# Altium PCB 电解模块主控板_V1.1_ZM_20211015.PcbDoc (part 1 of 3)
Units mil, origin at the board's own origin, x right, y up, seen from the top; angles counter-clockwise.
Board outline 5915.54 x 3947.37 mil, 2 copper layers (Top Layer, Bottom Layer); 222 components, 167 nets, 677 pads, 2045 vias.
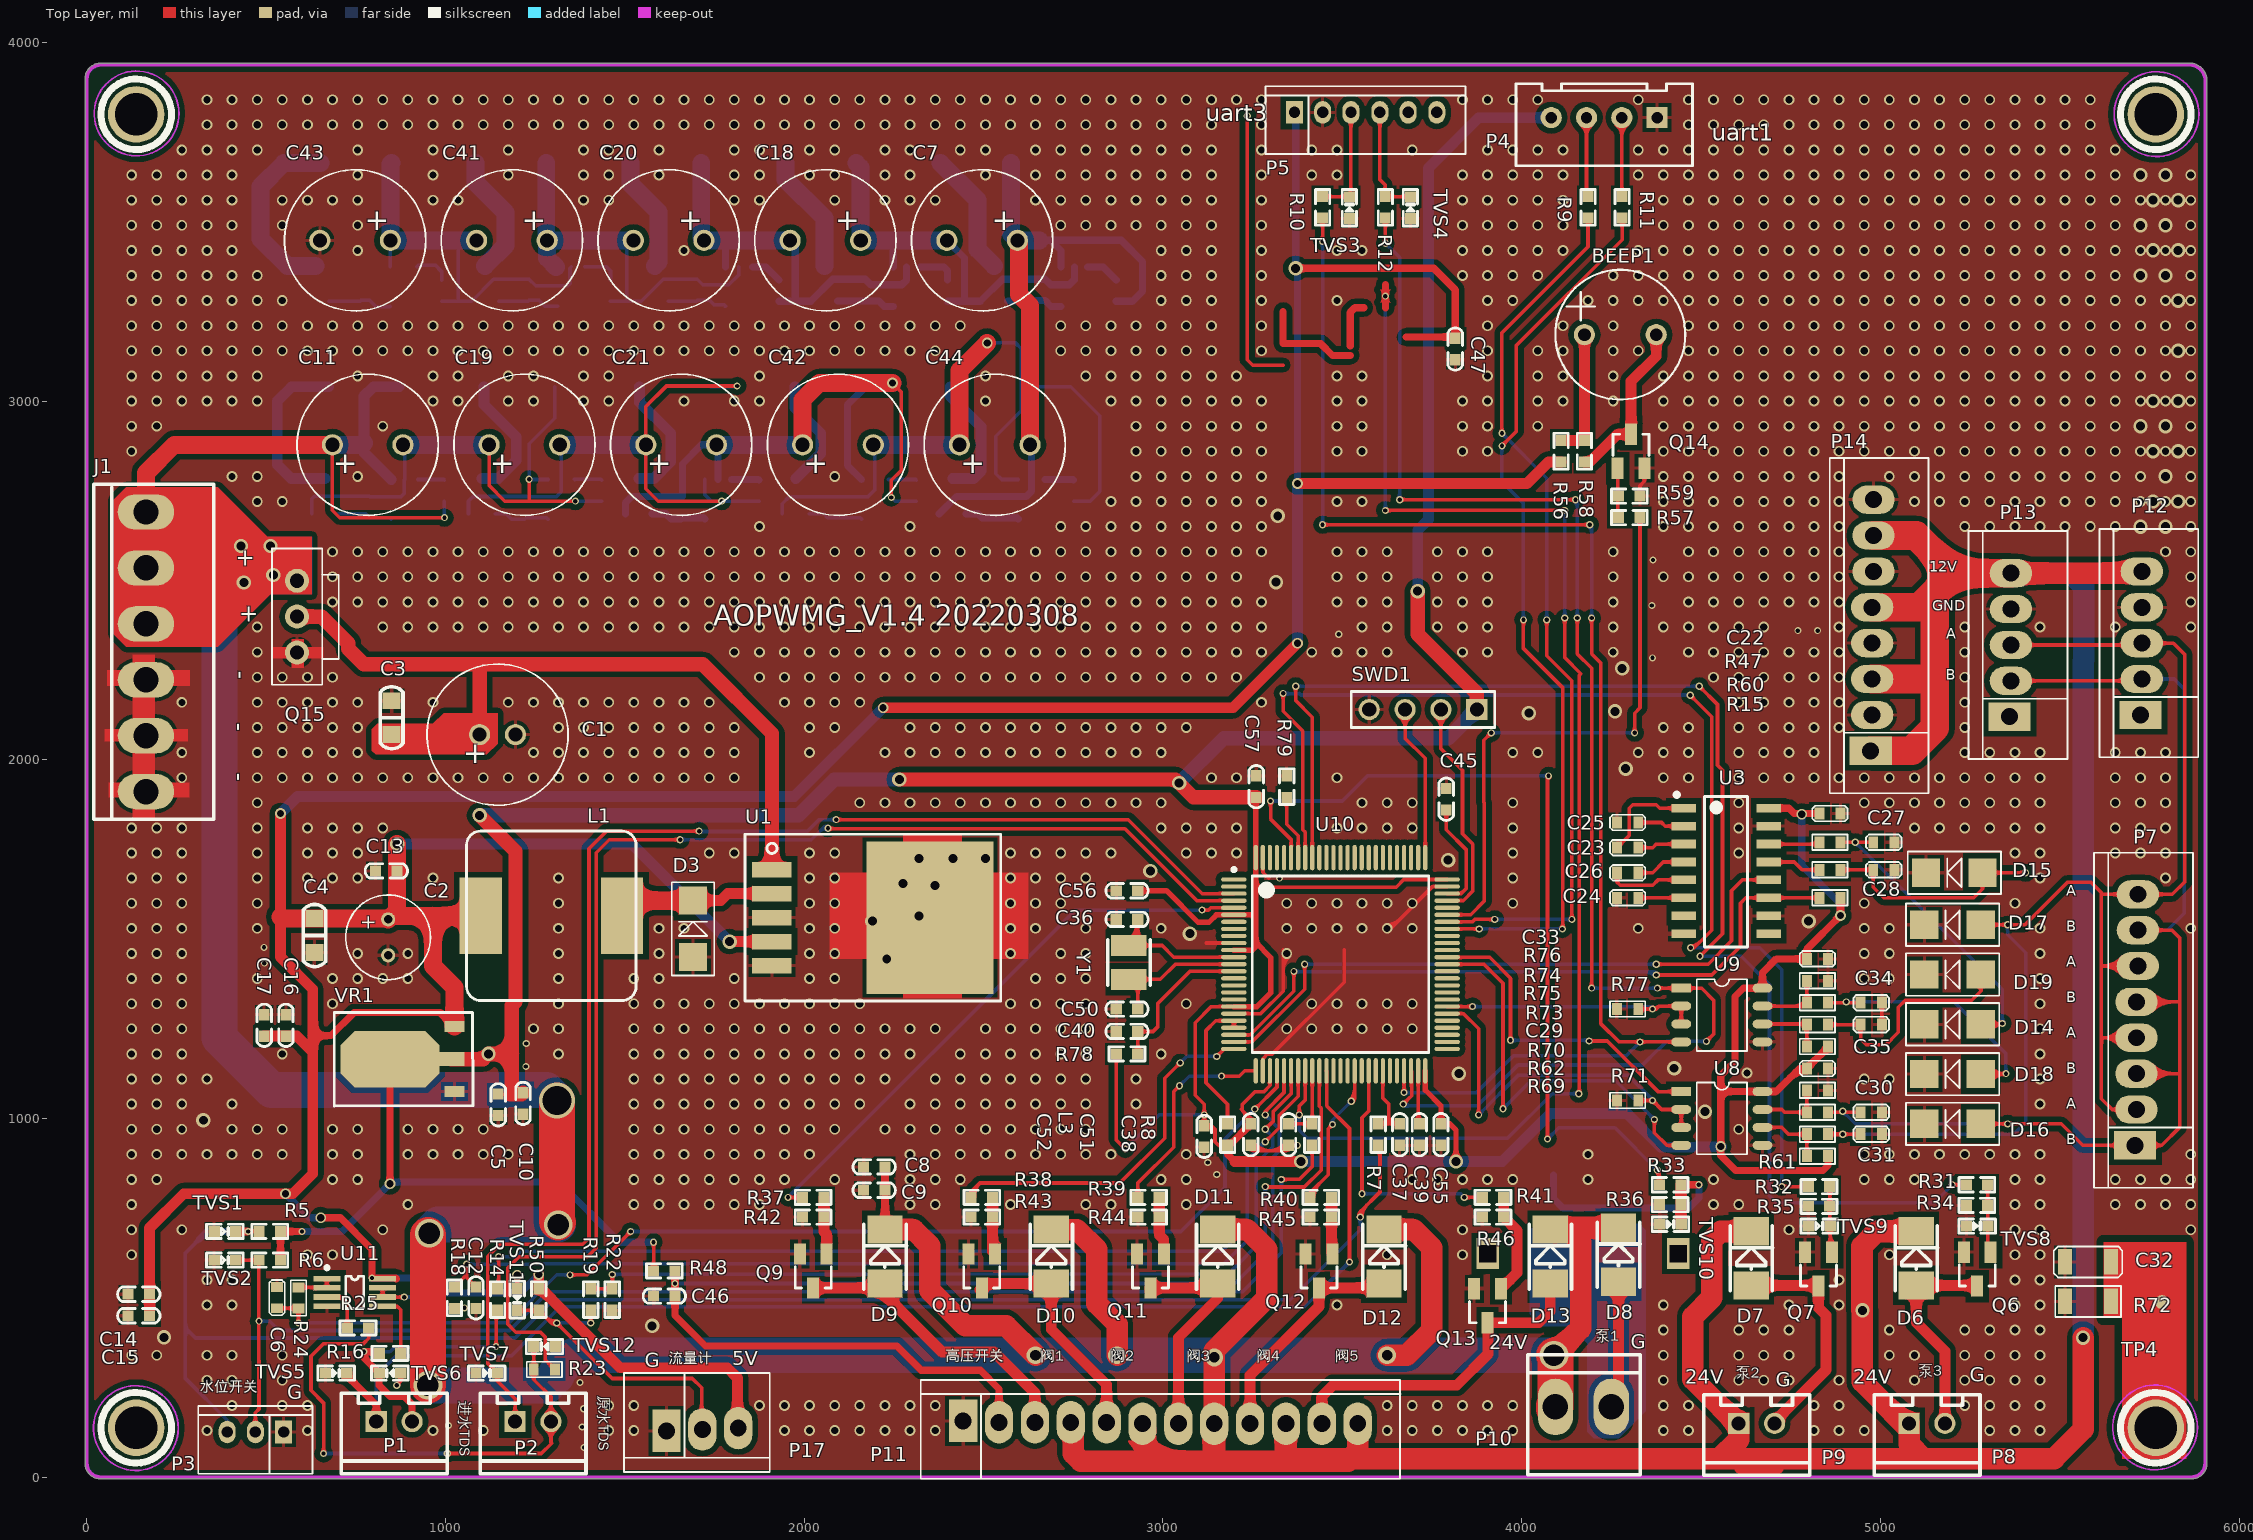
[diagram p0: Top Layer view]
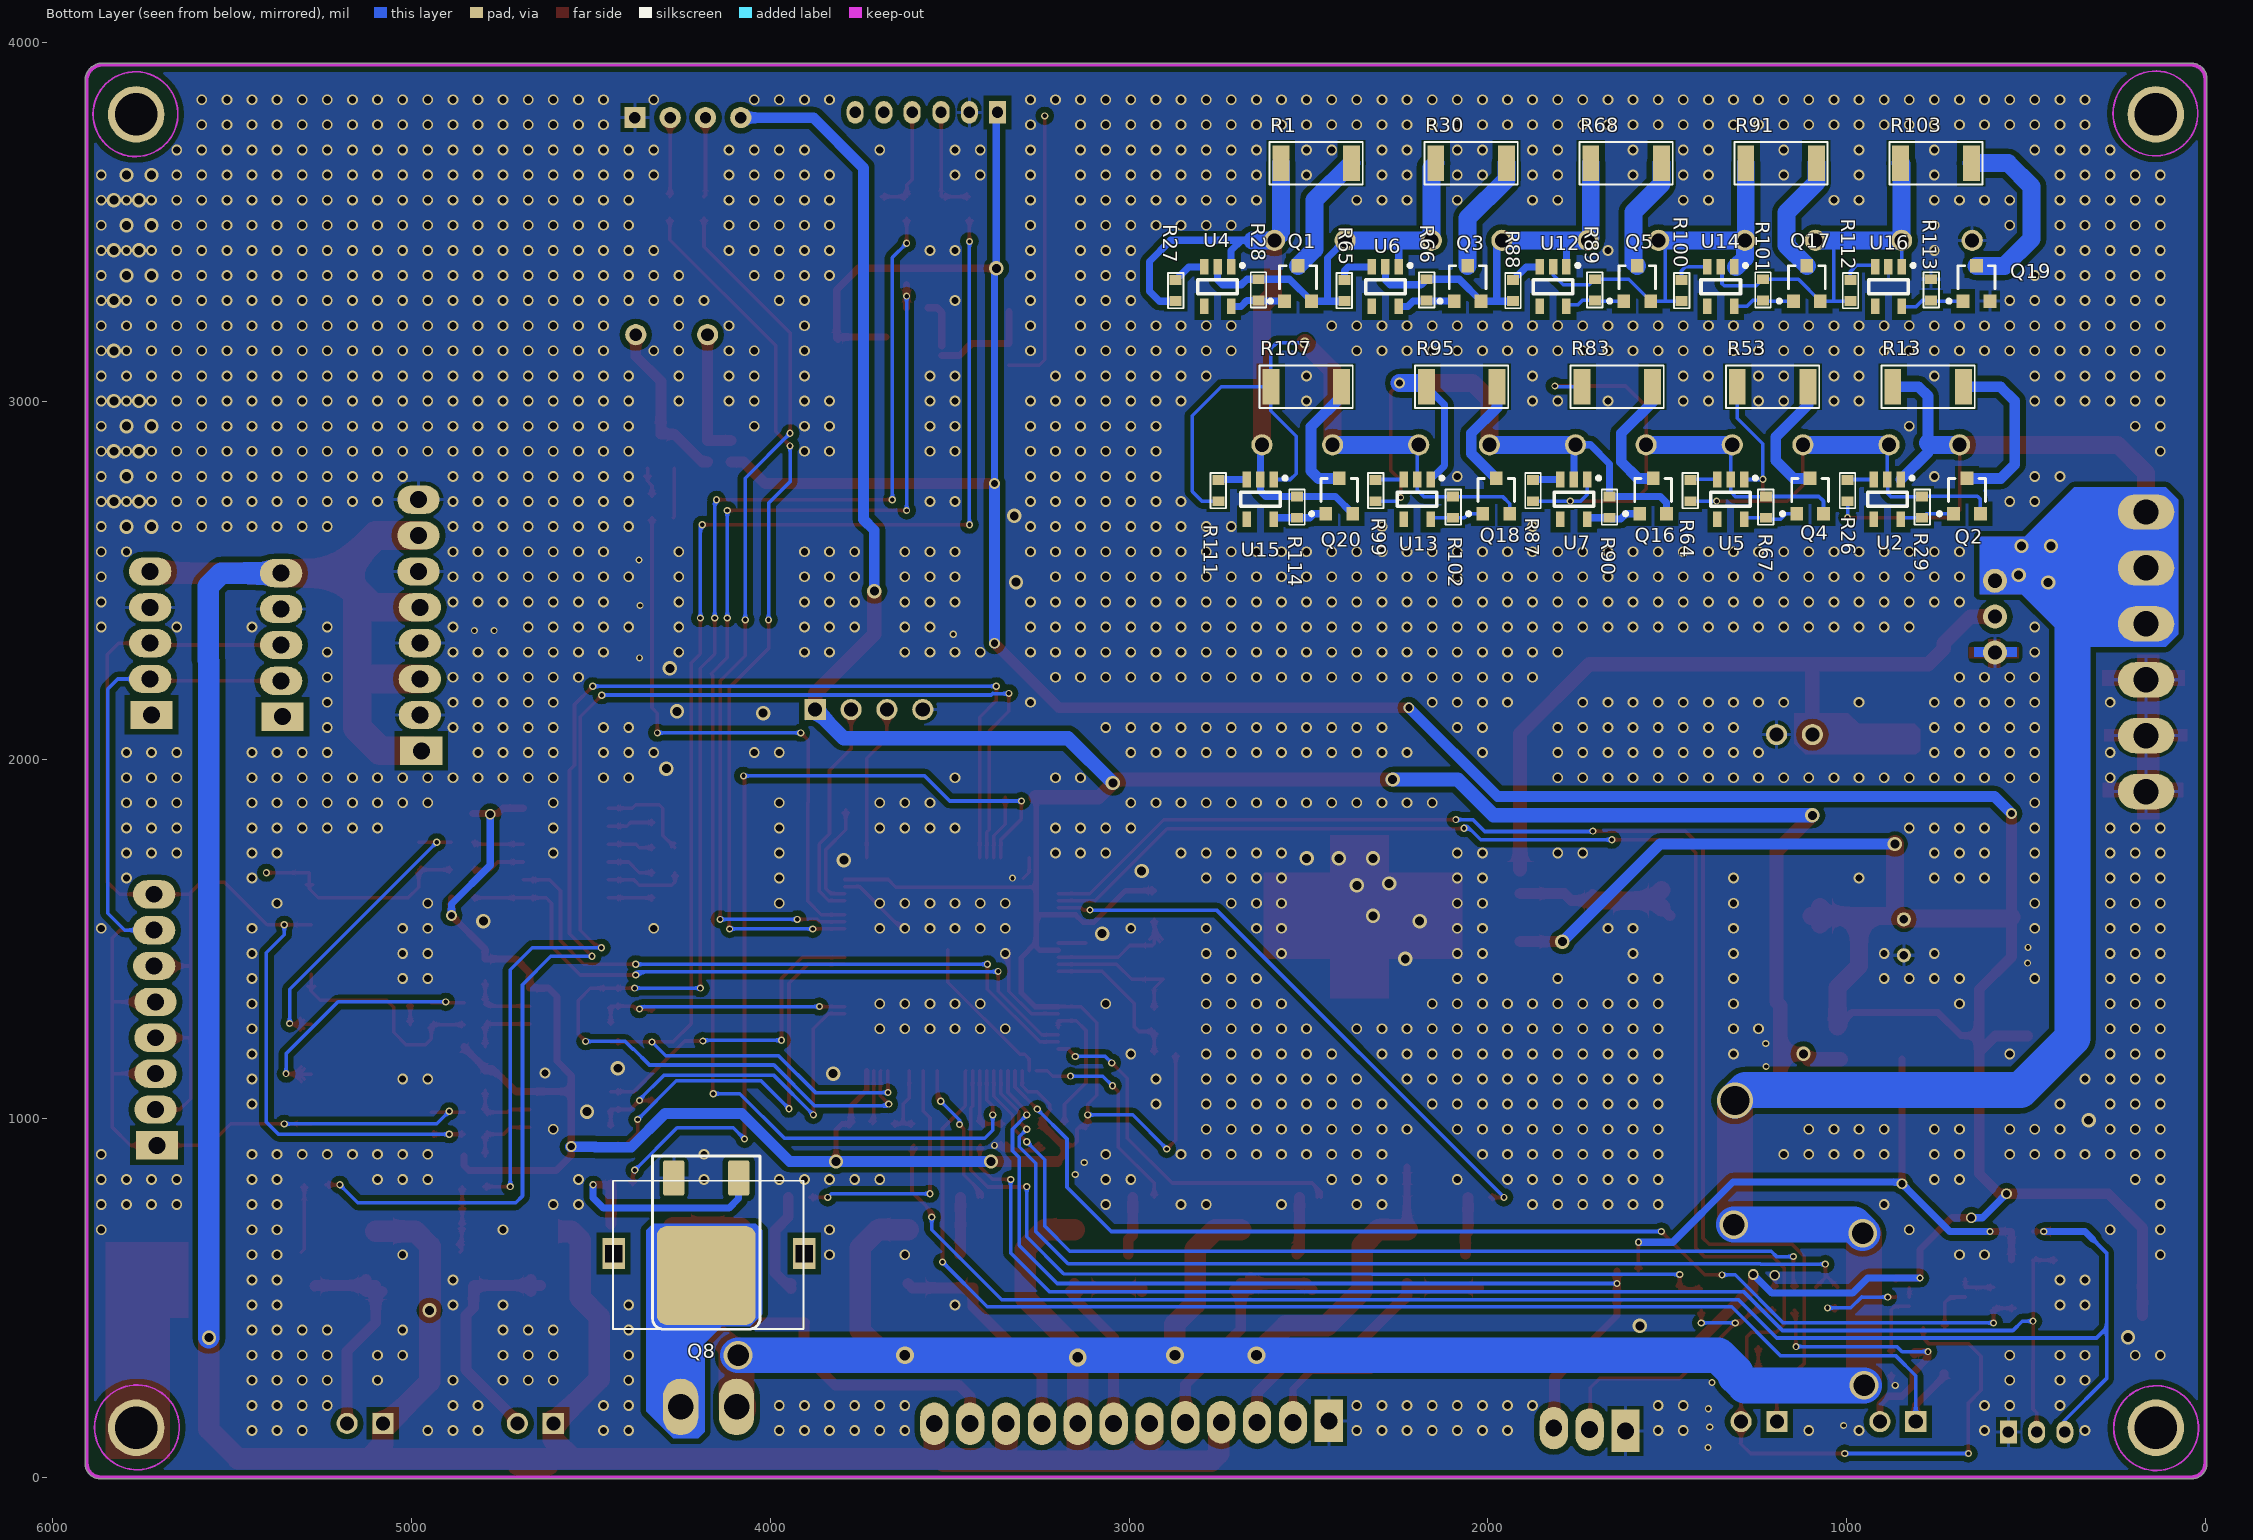
[diagram p1: Bottom Layer view, seen from below]
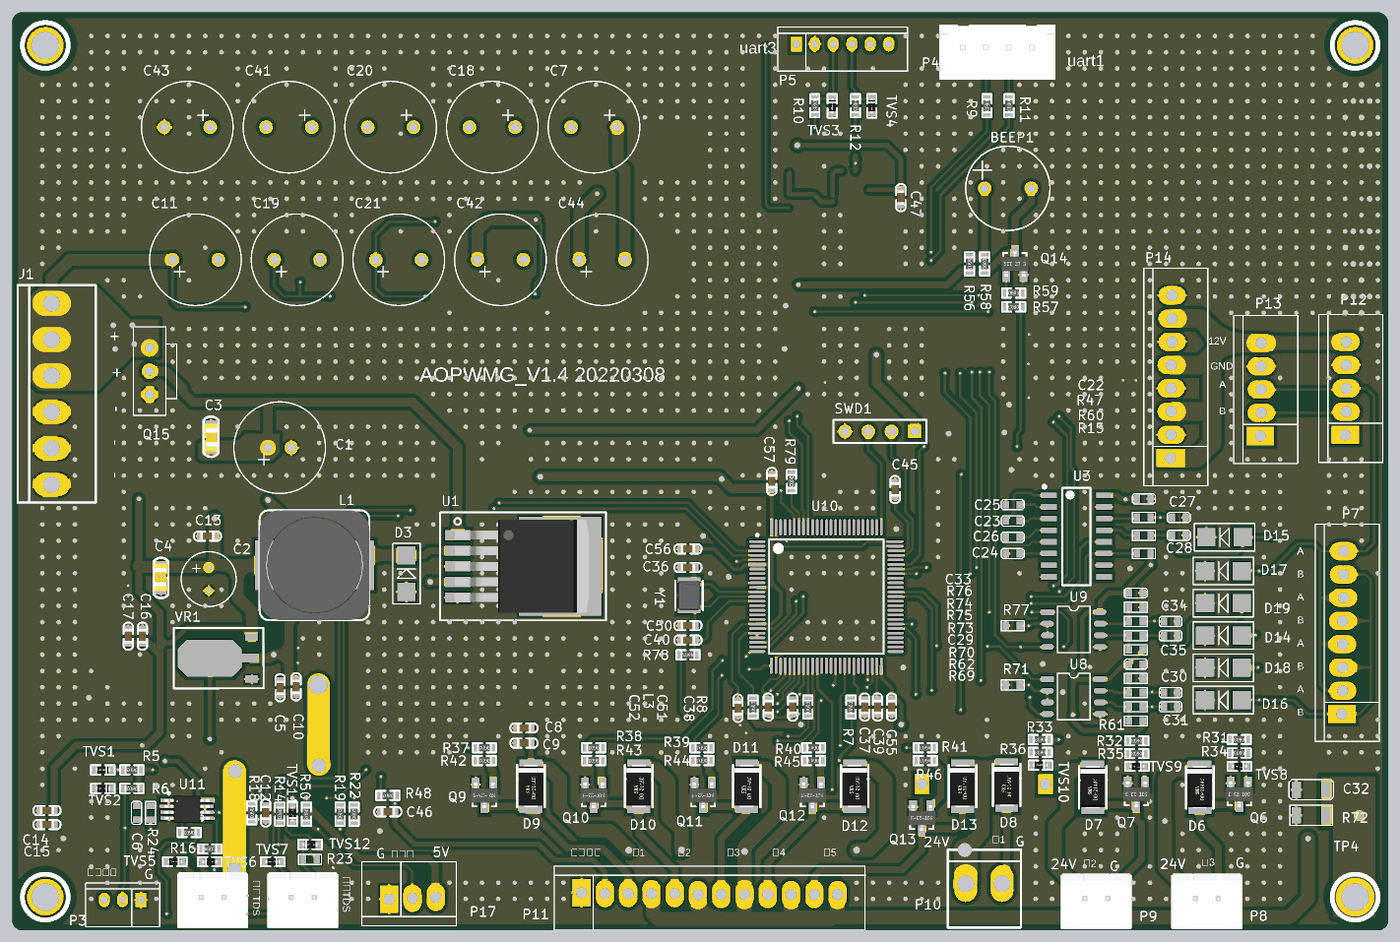
[diagram p4: 3D render of the assembled board from above, using the file's embedded part models]

## Layer stack, top to bottom
Top Solder: solder mask 0.4, Solder Resist, Dk 3.5
Top Layer: signal copper 1.4
Dielectric1: dielectric 12.6, FR-4, Dk 4.8
Bottom Layer: signal copper 1.4
Bottom Solder: solder mask 0.4, Solder Resist, Dk 3.5

## Board outline
-5.01,39.37 ccw(c39.37,39.37) 39.37,-5.01 5866.14,-5.01 ccw(c5866.14,39.37) 5910.53,39.37 5910.53,3897.64 ccw(c5905.51,3897.64) 5910.49,3898.25 ccw(c5860.57,3892.07) 5854.7,3942.02 39.37,3942.02 ccw(c39.37,3897.64) -5.01,3897.64

## Design rules (kind name [scope] priority, off if disabled: settings)
Clearance Clearance_2 [InNet('NetC32_2')] p1: gap=20
Clearance Clearance_1 [InPolygon] p2: gap=15
Clearance [All] p3: gap=6
NetAntennae [All] p1: netantennaetolerance=200
PolygonConnect PolygonConnect_2 [InNet('NetC32_2')] p1: connectstyle=Direct reliefconductorwidth=10 reliefentries=4 polygonreliefangle="90 Angle" airgapwidth=10
PolygonConnect PolygonConnect_1 [isvia] p2: connectstyle=Direct reliefconductorwidth=10 reliefentries=4 polygonreliefangle="90 Angle" airgapwidth=10
PolygonConnect [All] p3: connectstyle=Relief reliefconductorwidth=10 reliefentries=4 polygonreliefangle="90 Angle" airgapwidth=10
RoutingVias [All] p1: holewidth=12 width=24 viastyle="Through Hole" minholewidth=8 minwidth=8 maxholewidth=200 maxwidth=200
SilkToSolderMaskClearance [IsPad] p1: minsilkscreentomaskgap=2 clearancetoexposedcopper=TRUE
SolderMaskExpansion [All] p1: expansion=4
Width [All] p1: maxlimit=360 minlimit=10 preferedwidth=10
28 further rules are at their usual default settings.

## Classes and differential pairs
component class 02_Power: C1 C2 C3 C4 C5 C8 C9 C10 C13 C14 C15 C16 C17 D3 J1 L1 Q15 U1 VR1
component class 04_Sensor: C6 C12 C37 C38 C47 P1 P2 P3 P17 R5 R6 R7 R8 R14 R16 R18 R19 R22 R23 R24 R25 R50 TVS1 TVS2 TVS5 TVS6 TVS7 TVS11 TVS12 U11
component class com: C22 C23 C24 C25 C26 C27 C28 C29 C30 C31 C32 C33 C34 C35 D14 D15 D16 D17 D18 D19 P7 P12 P13 P14 R15 R47 R60 R61 R62 R69 R70 R71 R72 R73 R74 R75 R76 R77 TP4 U3 U8 U9
component class 05_USART: P4 P5 R9 R10 R11 R12 TVS3 TVS4
component class cpu: C36 C39 C40 C45 C50 C51 C52 C55 C56 C57 L3 R78 R79 SWD1 U10 Y1
component class 08_Peripherals: C46 D6 D7 D8 D9 D10 D11 D12 D13 P8 P9 P10 P11 Q6 Q7 Q8 Q9 Q10 Q11 Q12 Q13 R31 R32 R33 R34 R35 R36 R37 R38 R39 R40 R41 R42 R43 R44 R45 R46 R48 TVS8 TVS9 TVS10
component class 11_Speak: BEEP1 BP1 Q14 R56 R57 R58 R59
component class 07_EL_CON: C7 C11 C18 C19 C20 C21 C41 C42 C43 C44 Q1 Q2 Q3 Q4 Q5 Q16 Q17 Q18 Q19 Q20 R1 R13 R26 R27 R28 R29 R30 R53 R64 R65 R66 R67 R68 R83 R87 R88 R89 R90 R91 R95 R99 R100 R101 R102 R103 R107 R111 R112 R113 R114 U2 U4 U5 U6 U7 U12 U13 U14 U15 U16

## Components (designator, comment, footprint, x,y, rotation, side; value= is the part's Value field where it differs from the comment)
BEEP1 "BEEP-9.5X5.5" BEEP-9.5X5.5 4275,3185 r0 top
C1 "1000uF/35V" 10*16 1145,2070 r180 top
C2 "100uF/35V" 6*8 840,1505 r90 top
C3 "104 50V" SMD-0805C 850,2117.24 r270 top
C4 "104 50V" SMD-0805C 635,1510 r90 top
C5 "10uF 25V" SMD-0603C 1147,1038 r90 top
C6 "NC" 0603C 530,530 r270 top
C7 "1000uF/35V" "10*16 -5" 2496,3448 r0 top
C8 "10uF25V" SMD-0603C 2195,865 r0 top
C9 "104 50V" SMD-0603C 2195,800 r0 top
C10 "104 50V" SMD-0603C 1216,1042 r90 top
C11 "1000uF/35V" "10*16 -5" 783,2878 r180 top
C12 "NC" SMD-0603C 1085,500 r90 top
C13 "104 50V" SMD-0603C 835,1690 r0 top
C14 "10uF25V" SMD-0603C 145,510 r0 top
C15 "104 50V" SMD-0603C 145,450 r0 top
C16 "10uF25V" SMD-0603C 555,1259.47 r270 top
C17 "104 50V" SMD-0603C 494.47,1259.47 r270 top
C18 "1000uF/35V" "10*16 -5" 2059,3448 r0 top
C19 "1000uF/35V" "10*16 -5" 1220,2878 r180 top
C20 "1000uF/35V" "10*16 -5" 1622,3448 r0 top
C21 "1000uF/35V" "10*16 -5" 1657,2878 r180 top
C22 "104 50V" 0603C 4830,1850 r0 top
C23 "104 50V" 0603C 4265.94,1755 r0 top
C24 "104 50V" 0603C 4325,1615 r180 top
C25 "104 50V" 0603C 4325,1825 r180 top
C26 "104 50V" 0603C 4265.94,1685 r0 top
C27 "220PF/16V" 0603C 4980,1770 r0 top
C28 "220PF/16V" 0603C 4980,1693.33 r0 top
C29 "104 50V" 0603C 4795,1139.44 r0 top
C30 "220PF/16V" 0603C 4945,1017.22 r0 top
C31 "220PF/16V" 0603C 4945,956.11 r0 top
C32 "1NF/2KV" 1206C 5515,600 r0 top
C33 "104 50V" 0603C 4795,1445 r0 top
C34 "220PF/16V" 0603C 4945,1322.78 r0 top
C35 "220PF/16V" 0603C 4945,1261.67 r0 top
C36 "12P/50V" SMD-0603C 2900,1555 r180 top
C37 "104 50V" SMD-0603C 3660,955 r90 top
C38 "104 50V" SMD-0603C 3350,955 r90 top
C39 "4.7uF/10V/NC" SMD-0603C 3715,955 r90 top
C40 "1uF/10V" SMD-0603C 2900,1242.5 r0 top
C41 "1000uF/35V" "10*16 -5" 1185,3448 r0 top
C42 "1000uF/35V" "10*16 -5" 2094,2878 r180 top
C43 "1000uF/35V" "10*16 -5" 748,3448 r0 top
C44 "1000uF/35V" "10*16 -5" 2531,2878 r180 top
C45 "4.7uF/10V/NC" SMD-0603C 3790,1890 r270 top
C46 "104 50V" SMD-0603C 1610,505 r0 top
C47 "10uF 10V" SMD-0603C 3815,3145 r90 top
C50 "12P/50V" SMD-0603C 2900,1305 r180 top
C51 "104 50V" SMD-0603C 3245,955 r90 top
C52 "104 50V" SMD-0603C 3115,950 r90 top
C55 "104 50V" SMD-0603C 3775,955 r90 top
C56 "104 50V" SMD-0603C 2900,1635 r0 top
C57 "104 50V" SMD-0603C 3260,1925 r270 top
D3 "SS34" SMA 1690,1450 r90 top
D6 "1N4007" DO-214-AC 5100,610 r90 top
D7 "1N4007" DO-214-AC 4640,610 r90 top
D8 "1N4007" DO-214-AC 4270,620 r90 top
D9 "1N4007" DO-214-AC 2225,615 r90 top
D10 "1N4007" DO-214-AC 2688.75,615 r90 top
D11 "1N4007" DO-214-AC 3152.5,615 r90 top
D12 "1N4007" DO-214-AC 3616.25,615 r90 top
D13 "1N4007" DO-214-AC 4080,615 r90 top
D14 "SMAJ18CA" SMA 5280,1262.5 r180 top
D15 "SMAJ18CA" SMA 5285,1685 r180 top
D16 "SMAJ6.5CA" SMA 5280,985 r180 top
D17 "SMAJ6.5CA" SMA 5280,1540 r180 top
D18 "SMAJ6.5CA" SMA 5280,1123.75 r180 top
D19 "SMAJ6.5CA" SMA 5280,1401.25 r180 top
J1 "HEADER_6" VH-AW-3.96*6P 165,2145 r90 top
L1 "CDRH127-33uH" CDRH-127 1295,1565 r180 top
L3 "MPZ1608D101BTA00" SMD-0603 3180,955 r90 top
P1 "XH2.54 2P" SIP-2A 857,155 r0 top
P2 "XH2.54 2P" SIP-2A 1244,155 r0 top
P3 "1*3P" 3X2MMZ 548.74,126 r180 top
P4 "1*4P" XH2.54-4A 4230,3790 r180 top
P5 "Header 6" 6X2MMZ 3366.56,3804.75 r0 top
P7 "Header 8" 8X2.54MMZ 5710,925 r90 top
P8 "SIP-2" SIP-2A 5130,150 r0 top
P9 "SIP-2" SIP-2A 4655,150 r0 top
P10 "SIP-2" VH-AW-3.96*2P 4327.95,196 r0 top
P11 "Header 12" 12X2.54MMZ 2443,157 r0 top
P12 "Header 5" 5X2.54MMZ 5725,2125 r90 top
P13 "Header 5" 5X2.54MMZ 5360,2120 r90 top
P14 "Header 8" 8X2.54MMZ 4973.06,2025 r90 top
P17 "1*3P" 3X2.54MMZ2 1616,129 r0 top
Q1 "AO3400" SOT-23#1 2529,3327.74 r180 bottom
Q2 "AO3400" SOT-23#1 664,2735 r180 bottom
Q3 "AO3400" SOT-23#1 2056.15,3327.74 r180 bottom
Q4 "AO3400" SOT-23#1 1101.5,2735 r180 bottom
Q5 "AO3400" SOT-23#1 1583.3,3327.74 r180 bottom
Q6 "AO3400" SOT-23#2 5270,580 r180 top
Q7 "AO3400" SOT-23#2 4827.5,580 r180 top
Q8 "AOD538" TO252 4178.55,562.35 r0 bottom
Q9 "AO3400" SOT-23#2 2025,575 r180 top
Q10 "AO3400" SOT-23#2 2495,575 r180 top
Q11 "AO3400" SOT-23#2 2965,575 r180 top
Q12 "AO3400" SOT-23#2 3435,575 r180 top
Q13 "AO3400" SOT-23#2 3905,478 r180 top
Q14 "LH8050QLT1G" SOT-23#2 4305,2860 r0 top
Q15 "AOTF4185" TO220 586,2299 r90 top
Q16 "AO3400" SOT-23#1 1539,2735 r180 bottom
Q17 "AO3400" SOT-23#1 1110.45,3327.74 r180 bottom
Q18 "AO3400" SOT-23#1 1976.5,2735 r180 bottom
Q19 "AO3400" SOT-23#1 637.6,3327.74 r180 bottom
Q20 "AO3400" SOT-23#1 2414,2735 r180 bottom
R1 "4.7" 2010R 2577,3663 r180 bottom
R5 "10K" SMD-0603 510,685 r180 top
R6 "10K" SMD-0603 510,605 r180 top
R7 "10K" SMD-0603 3600,955 r90 top
R8 "10K" SMD-0603 3415,955 r90 top
R9 "10R" SMD-0603 4185,3540 r270 top
R10 "100R" SMD-0603 3445,3540 r270 top
R11 "10R" SMD-0603 4280,3540 r270 top
R12 "100R" SMD-0603 3620,3540 r270 top
R13 "4.7" 2010R 871,3040 r180 bottom
R14 "2K" SMD-0603 1145,495 r270 top
R15 "4.75K 1%" 0603R 4889.06,1615 r180 top
R16 "10K" SMD-0603 845,345 r0 top
R18 "4.7K" SMD-0603 1025,500 r270 top